# Altium PCB ASI_CAN_Conv.PcbDoc
Units mm, origin at the board's own origin, x right, y up, seen from the top; angles counter-clockwise.
Board outline 84.61 x 101.63 mm, 2 copper layers (Top Layer, Bottom Layer); 107 components, 76 nets, 428 pads, 51 vias.
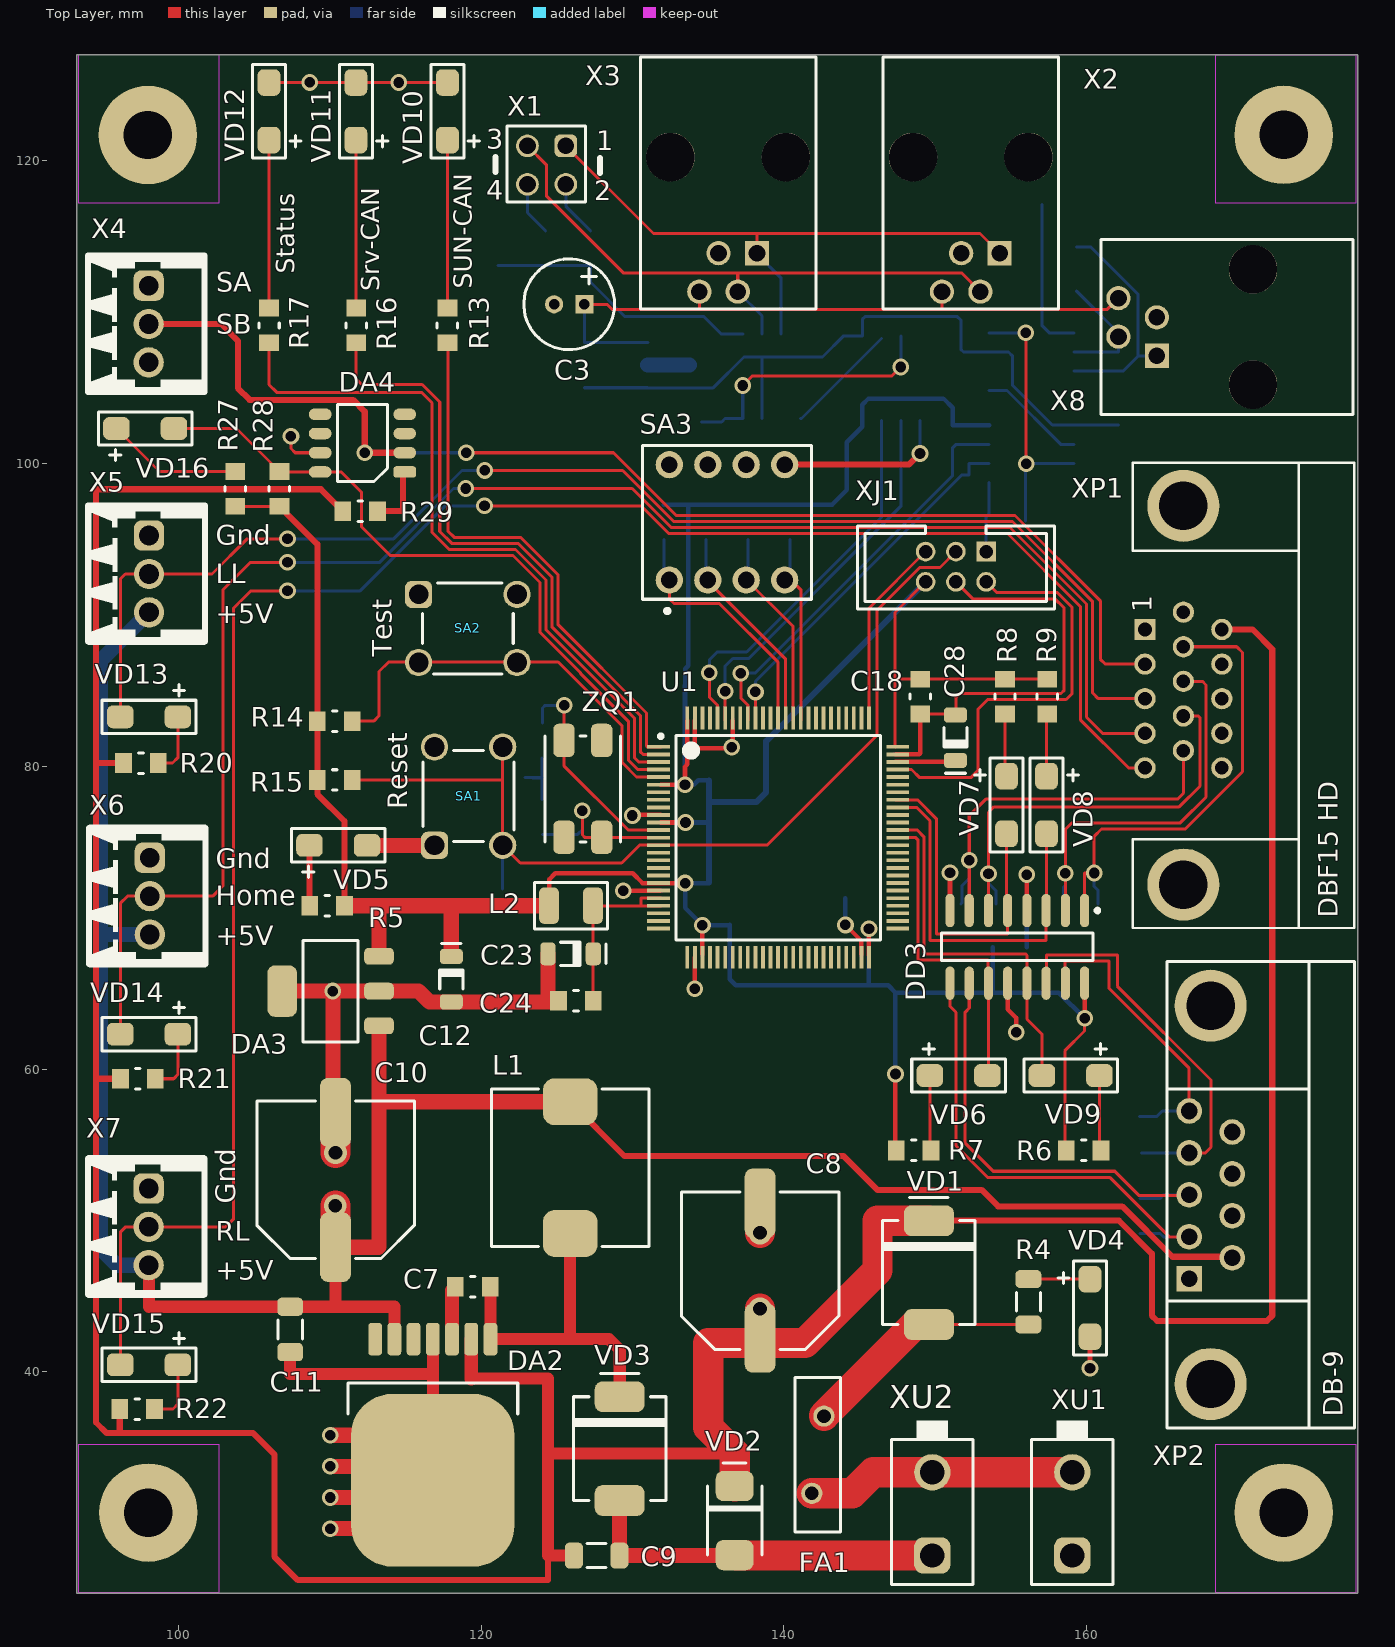
[diagram p0: Top Layer view]
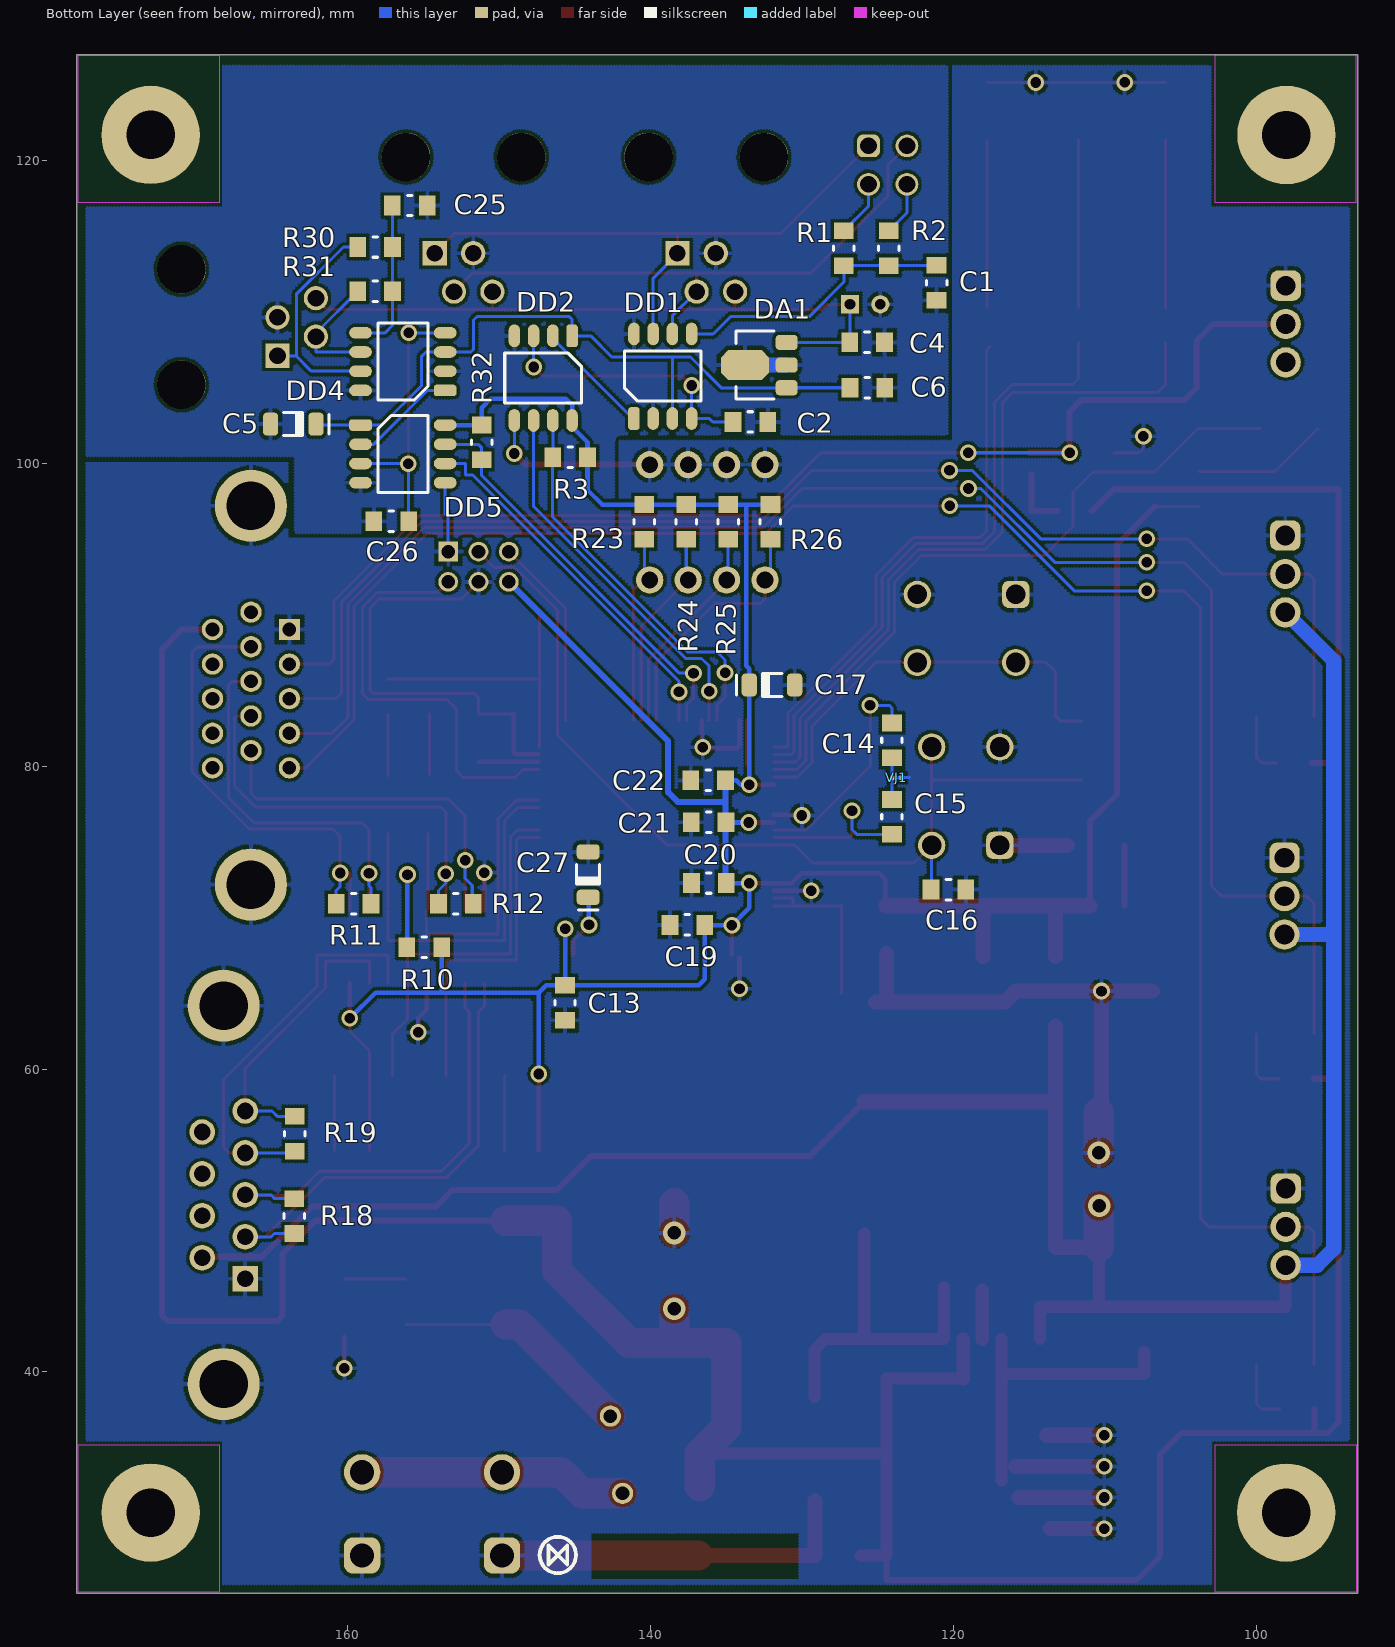
[diagram p1: Bottom Layer view, seen from below]
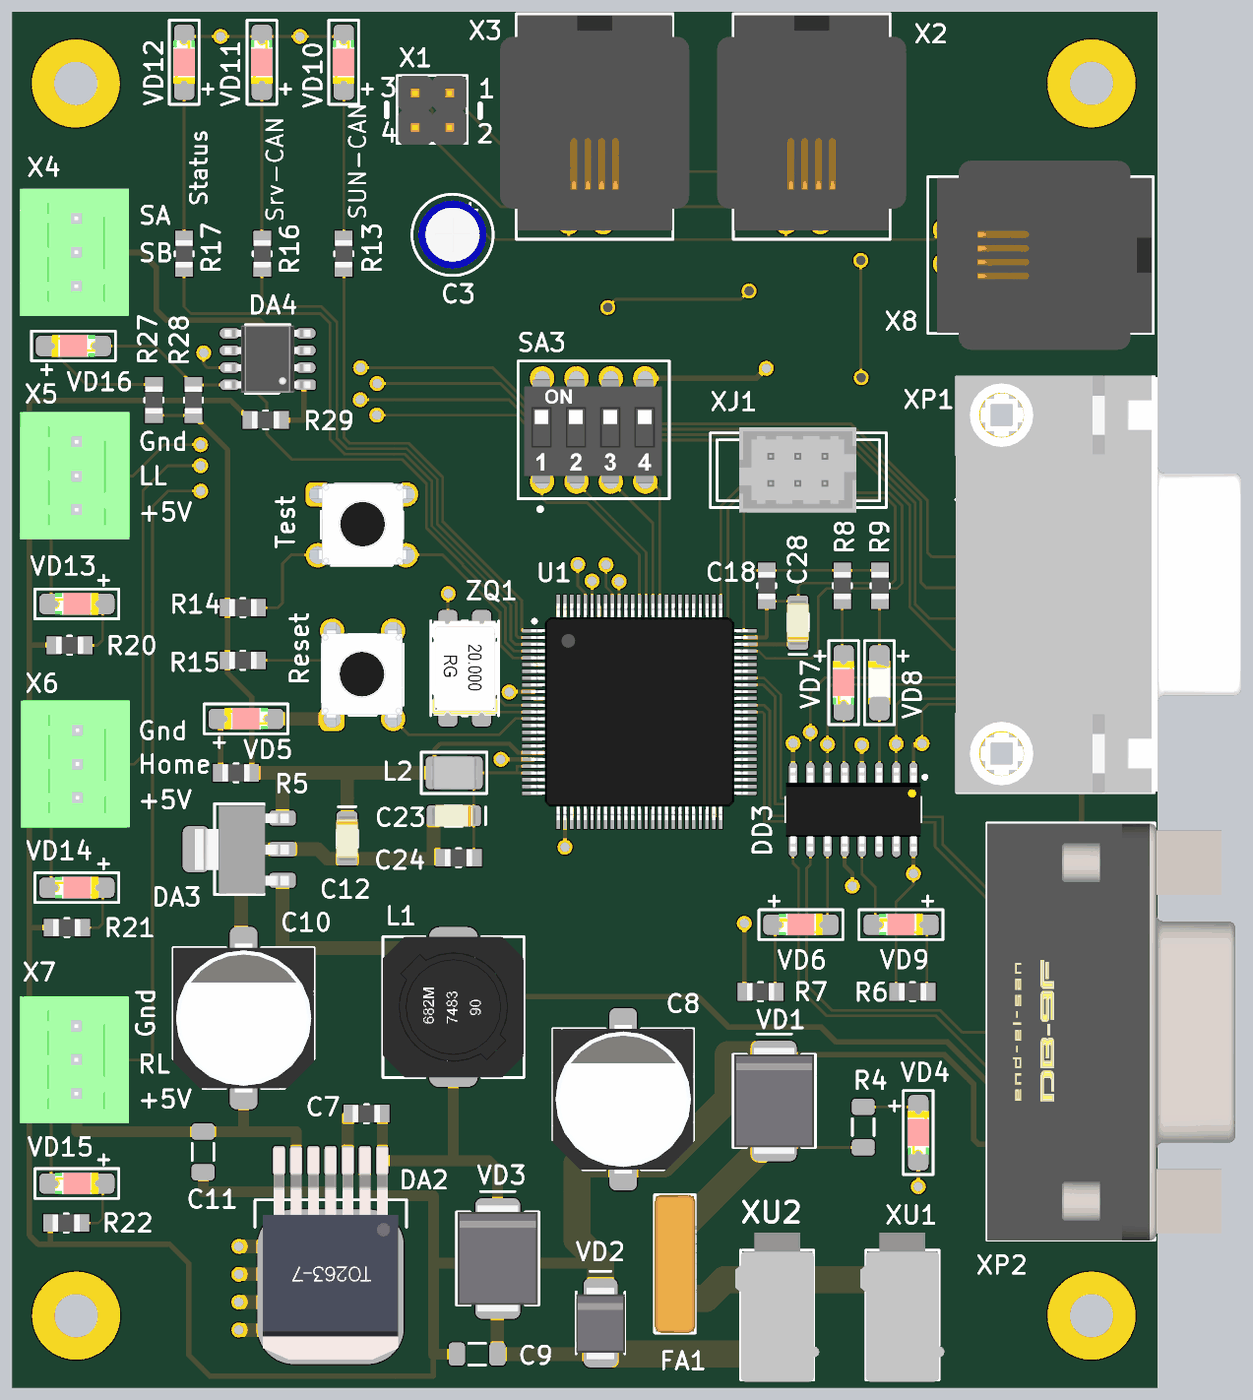
[diagram p2: 3D render of the assembled board from above, using the file's embedded part models]
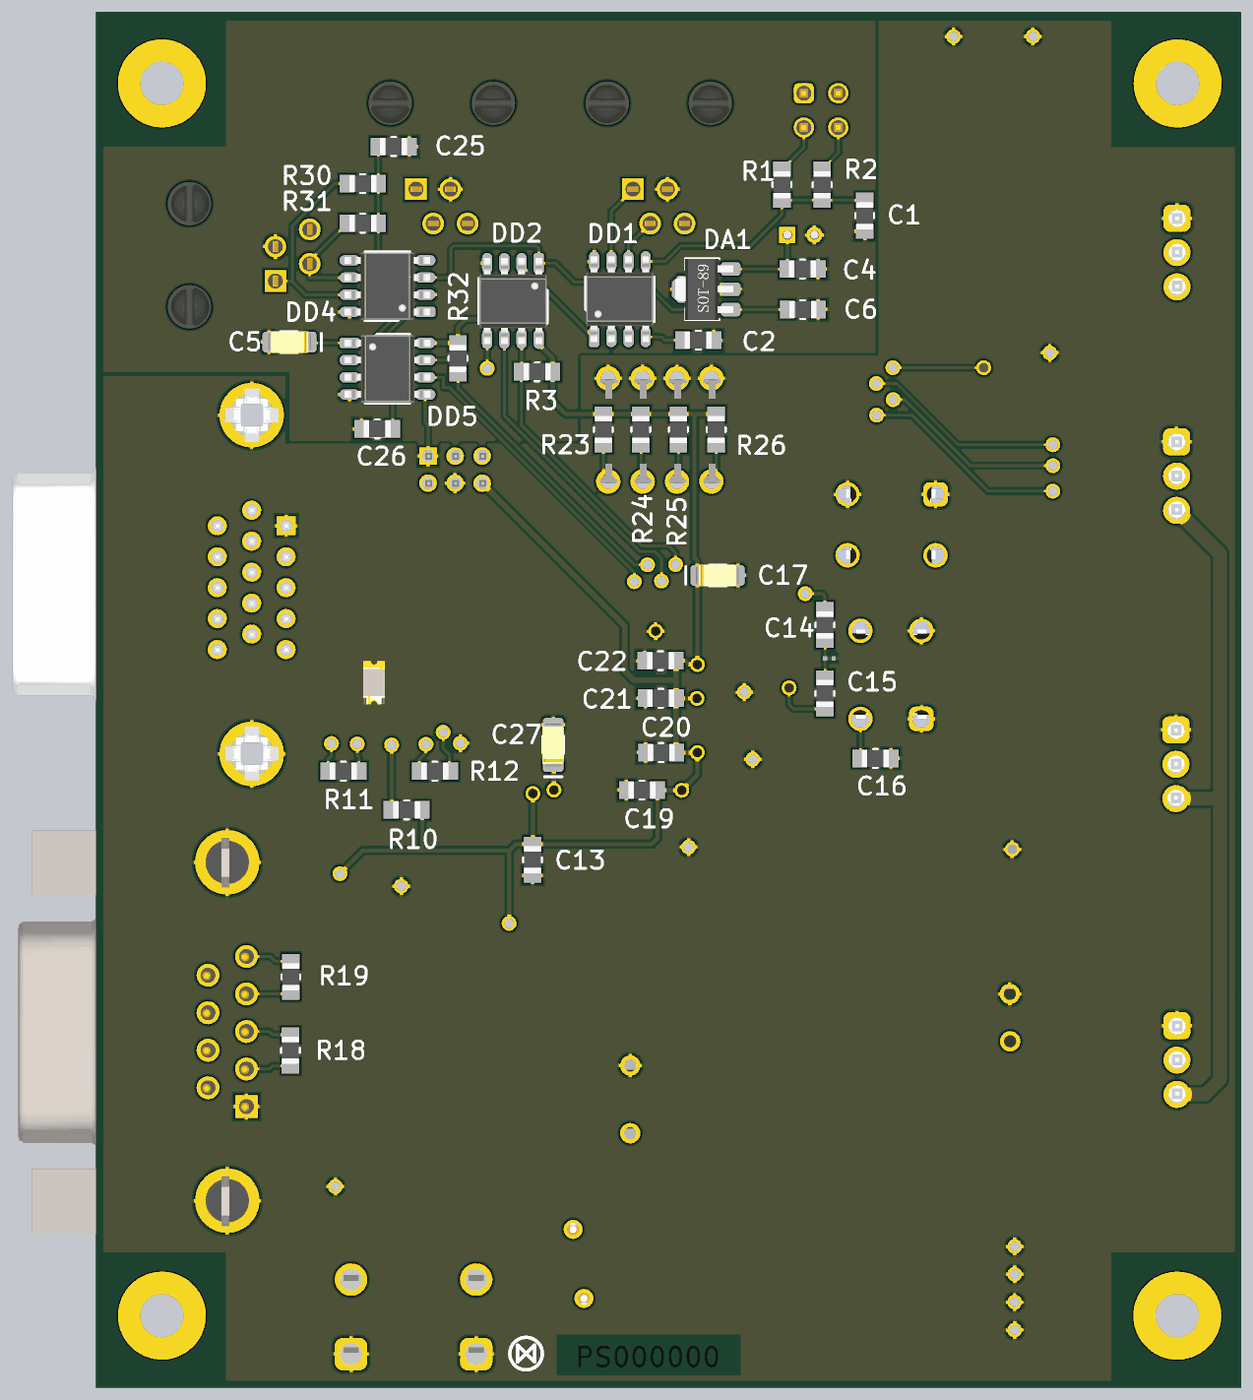
[diagram p3: 3D render of the assembled board from below, using the file's embedded part models]

## Layer stack, top to bottom
Top Solder: solder mask 0.0102, Solder Resist, Dk 3.5
Top Layer: signal copper 0.0356
Dielectric 1: dielectric 0.32, FR-4, Dk 4.8
Bottom Layer: signal copper 0.0356
Bottom Solder: solder mask 0.0102, Solder Resist, Dk 3.5

## Board outline
93.294,25.375 93.294,127 177.902,127 177.902,25.375

## Design rules (kind name [scope] priority, off if disabled: settings)
Clearance [All] p1: gap=0.2
HoleSize [All] p1: absolutevalues=TRUE maxlimit=5 minlimit=0.025 maxpercent=80.000 minpercent=20.000
MinimumSolderMaskSliver [All] p1: minsoldermaskwidth=0.2
PolygonConnect [All] p1: connectstyle=Relief reliefconductorwidth=0.254 reliefentries=4 polygonreliefangle="90 Angle" airgapwidth=0.254
RoutingVias [All] p1: holewidth=1 width=16 viastyle="Through Hole" minholewidth=0.6 minwidth=1 maxholewidth=1 maxwidth=1.6
SilkToSilkClearance [All] p1: silktosilkclearance=0.2
SilkToSolderMaskClearance [IsPad] p1: minsilkscreentomaskgap=0.2 clearancetoexposedcopper=TRUE
SolderMaskExpansion [All] p1: expansion=0.1
Width [All] p1: maxlimit=2 minlimit=0.2 preferedwidth=0.254
25 further rules are at their usual default settings.

## Classes and differential pairs
component class Digital_In_Common: DA4 R27 R28 R29 VD16
component class POWER_SUPPLY: C7 C8 C9 C10 C11 C12 C13 DA2 DA3 FA1 FA? L1 L? R4 R5 VD1 VD2 VD3 VD4 VD5
component class Main: C14 C15 C16 C17 C18 C19 C20 C21 C22 C23 C24 C27 C28 DD3 L2 R6 R7 R8 R9 R10 R11 R12 R13 R14 R15 R16 R17 R18 R19 R20 R21 R22 R23 R24 R25 R26 SA1 SA2 SA3 U1 VD6 VD7 VD8 VD9 VD10 VD11 VD12 VD13 VD14 VD15 VJ1 X4 X5 X6 X7 XJ1 XP1 XP2 XU1 XU2 ZQ1
component class CAN: C1 C2 C3 C4 C5 C6 DA1 DD1 DD2 R1 R2 R3 X1 X2 X3
component class CAN_ASI: C25 C26 DD4 DD5 R30 R31 R32 X8

## Components (designator, comment, footprint, x,y, rotation, side; value= is the part's Value field where it differs from the comment)
C1 "0,01" 0805 121.107,111.938 r270 bottom
C2 "15" 0805 133.401,102.743 r180 bottom
C3 "100мкФ x 25 В" C_D5/F2.0_V 126.822,110.515 r180 top
C4 "0,1" 0805 125.7,108 r180 bottom
C5 "10мкФ x 6,3 В" CAP_TYPE_A 163.6,102.6 r0 bottom
C6 "0,1" 0805 125.679,105.004 r180 bottom
C7 "0,01" 0805 119.456,45.618 r0 top
C8 "220мкФ x 50 В" ELCAP_SIZE_F 138.43,46.685 r90 top
C9 "0,47" 1206 127.635,27.864 r0 top
C10 "1000мкФ x 6,3 В" ELCAP_SIZE_F 110.388,52.68 r90 top
C11 "0,47" 1206 107.391,42.799 r270 top
C12 "10мкФ x 6,3 В" CAP_TYPE_A 118.034,65.938 r270 top
C13 "0,33" 0805 145.65,64.375 r270 bottom
C14 "27" 0805 124.054,81.712 r90 bottom
C15 "27" 0805 124.054,76.657 r270 bottom
C16 "0,1" 0805 120.32,71.857 r180 bottom
C17 "10мкФ x 6,3 В" CAP_TYPE_A 131.978,85.369 r180 bottom
C18 "0,1" 0805 149.022,84.607 r270 top
C19 "0,1" 0805 137.566,69.52 r0 bottom locked
C20 "0,1" 0805 136.144,72.288 r0 bottom
C21 "0,1" 0805 136.169,76.302 r0 bottom
C22 "0,1" 0805 136.195,79.07 r0 bottom
C23 "10мкФ x 6,3 В" CAP_TYPE_A 125.915,67.615 r180 top
C24 "0,1" 0805 126.271,64.516 r180 top
C25 "0,01" 0805 155.905,117.043 r180 bottom
C26 "15" 0805 157.124,96.19 r0 bottom
C27 "2,2мкФ x 10 В" CAP_TYPE_A 144.12,72.847 r90 bottom
C28 "2,2мкФ x 10 В" CAP_TYPE_A 151.333,81.89 r90 top
DA1 "L78L05ACUTR" SOT-89 132.436,106.502 r90 bottom
DA2 "LM2676S-5.0" DDPAK 116.815,37.998 r180 top
DA3 "MC33275ST-3.3T3G" SOT-223_2 110.058,65.151 r90 top
DA4 "MOCD213M" SO-8 112.166,101.346 r90 top
DD1 "PCA82C250T/N4" SO-8 139.192,105.766 r180 bottom
DD2 "ADUM1201BR" SO-8 147.091,105.639 r0 bottom
DD3 "AM26LV32CD" SO16_N 155.423,68.072 r270 top
DD4 "PCA82C250T/N4" SO-8 156.362,106.731 r90 bottom
DD5 "ADUM1201BR" SO-8 156.362,100.635 r270 bottom
FA1 "2А" RUE-185 141.85,31.975 r90 top
L1 "47мкГн" B82464g4 125.882,53.492 r90 top
L2 "33мкГн" CM322522 125.94,70.79 r0 top
R1 "60,4" 0805 127.229,114.224 r270 bottom
R2 "60,4" 0805 124.257,114.224 r270 bottom
R3 "10к" 0805 145.313,100.406 r180 bottom
R4 "4к7" 1206 156.159,44.628 r270 top
R5 "1к" 0805 109.83,70.79 r0 top
R6 "330" 0805 159.8,54.625 r0 top
R7 "330" 0805 148.575,54.625 r180 top
R8 "330" 0805 154.61,84.607 r270 top
R9 "330" 0805 157.404,84.607 r270 top
R10 "1к" 0805 154.95,68.05 r180 bottom
R11 "120" 0805 159.614,70.917 r0 bottom
R12 "120" 0805 152.857,70.917 r0 bottom
R13 "330" 0805 117.78,109.118 r90 top
R14 "10к" 0805 110.338,82.982 r180 top
R15 "10к" 0805 110.338,79.096 r180 top
R16 "330" 0805 111.76,109.118 r270 top
R17 "330" 0805 105.994,109.118 r270 top
R18 "120" 0805 163.525,50.292 r90 bottom
R19 "120" 0805 163.5,55.728 r270 bottom
R20 "10к" 0805 97.536,80.213 r180 top
R21 "10к" 0805 97.333,59.36 r180 top
R22 "10к" 0805 97.282,37.541 r180 top
R23 "10к" 0805 140.411,96.139 r90 bottom
R24 "10к" 0805 137.643,96.139 r90 bottom
R25 "10к" 0805 134.874,96.139 r90 bottom
R26 "10к" 0805 132.08,96.139 r90 bottom
R27 "330" 0805 103.759,98.323 r90 top
R28 "10к" 0805 106.68,98.323 r270 top
R29 "2к4" 0805 112.014,96.85 r180 top
R30 "60,4" 0805 158.191,114.3 r180 bottom
R31 "60,4" 0805 158.191,111.379 r180 bottom
R32 "10к" 0805 151.155,101.397 r90 bottom
SA1 "SWT-2" SWT-2 119.177,78.029 r90 top
SA2 "SWT-2" SWT-2 119.126,89.103 r0 top
SA3 "SWD 1-4" "SWD 1-4" 136.246,96.114 r0 top
U1 "STM32F437VIT6" STM-LQFP100_V 139.624,75.286 r0 top
VD1 "VS-30BQ060TRPbf" SMC 149.581,46.558 r270 top
VD2 "1SMB36AT3G" SMB 136.75,30.175 r270 top
VD3 "VS-30BQ060TRPbf" SMC 129.159,34.925 r270 top
VD4 "KP-3216MGC" LED3216 160.223,44.221 r270 top
VD5 "KP-3216MGC" LED3216 110.566,74.778 r0 top
VD6 "KP-3216MGC" LED3216 151.55,59.575 r0 top
VD7 "KP-3216MGC" LED3216 154.711,77.445 r270 top
VD8 "KP-3216MGC" LED3216 157.353,77.445 r270 top
VD9 "KP-3216MGC" LED3216 158.95,59.575 r180 top
VD10 "KP-3216MGC" LED3216 117.78,123.266 r90 top
VD11 "KP-3216MGC" LED3216 111.735,123.266 r90 top
VD12 "KP-3216MGC" LED3216 105.994,123.266 r90 top
VD13 "KP-3216MGC" LED3216 98.069,83.261 r180 top
VD14 "KP-3216MGC" LED3216 98.069,62.306 r180 top
VD15 "KP-3216MGC" LED3216 98.069,40.462 r180 top
VD16 "KP-3216MGC" LED3216 97.815,102.311 r0 top
VJ1 "Virtual Jumper" "Virtual Jumper" 123.165,78.943 r0 bottom net-tie
X1 "PLD-4" PLD-4 125.603,120.98 r180 top
X2 "TJ3-4P4C" TJ3-4P4C 154.254,113.894 r270 top
X3 "TJ3-4P4C" TJ3-4P4C 138.227,113.894 r270 top
X4 "15EDGVC-2.5-03P" 15EDGVC-2.5-03P 98.044,111.76 r270 top
X5 "15EDGVC-2.5-03P" 15EDGVC-2.5-03P 98.069,95.25 r270 top
X6 "15EDGVC-2.5-03P" 15EDGVC-2.5-03P 98.12,73.965 r270 top
X7 "15EDGVC-2.5-03P" 15EDGVC-2.5-03P 98.044,52.121 r270 top
X8 "TJ3-4P4C" TJ3-4P4C 164.643,107.112 r180 top
XJ1 "BH2-6" BH2-6 153.365,94.183 r180 top
XP1 "DBF-15HD" "DBF15 HD" 166.395,84.709 r90 top
XP2 "DB-9" DB-9M 177.698,51.689 r270 top
XU1 "MF-2MA" MF-2MA 159.055,27.864 r90 top (schematic designator XU2)
XU2 "MF-2MA" MF-2MA 149.809,27.864 r90 top
ZQ1 "KX-13 8 МГц" KX-13 126.721,78.511 r270 top

## Footprints (in the part's own frame and the unit in brackets; to place one, negate y for a bottom-side part, rotate by r counter-clockwise, add the part's x,y. Pads: shape width x height; smd on the part's side, far side on the other; paste and mask are expansions set on the pad)
15EDGVC-2.5-03P [mm] "15EDGVC-2.5-03P"
  rrect50% 2x2 hole 1.3: 1(0.01,0)
  round 2 hole 1.3: 2(2.545,0) 3(5.08,0)
  silkscreen extent -2.17,-4.02 7.22,3.71, body extent -2.17,-4.21 7.23,3.89, height 10.2
0805 [mm]
  rect 1.1x1.3 smd: 1(-1.15,0) 2(1.15,0)
  silkscreen extent -0.15,-0.67 0.15,0.67, body extent -1,-0.62 1,0.63, height 0.47
1206 [mm]
  rrect50% 1.2x1.7 smd: 1(-1.5,0) 2(1.5,0)
  silkscreen extent -0.62,-0.8 0.62,0.8, body extent -1.6,-0.8 1.6,0.8, height 0.6
B82464g4 [mm]
  rrect50% 3.1x3.6 smd: 1(-4.35,0) 2(4.35,0)
  silkscreen extent -5.2,-5.2 5.2,5.2, body extent -5.2,-5.2 5.2,5.2, height 4.81
BH2-6 [mm] "Вилка 6 контактов на плату, шаг 2мм"
  rect 1.3x1.3 hole 0.9: 1(0,0)
  round 1.3 hole 0.9: 2(0,2) 3(2,0) 4(2,2) 5(4,0) 6(4,2)
  silkscreen extent -4.5,-1.7 8.5,3.8, body extent -2.29,-2.13 6.36,4.17, height 8.2
C_D5/F2.0_V [mm]
  rect 1.2x1.2 hole 0.7: 1(0,0)
  round 1.2 hole 0.7: 2(2,0)
  silkscreen extent -2,-3 4,3, body extent -1.53,-2.55 3.53,2.5, height 11.28
CAP_TYPE_A [mm]
  rrect50% 1x1.52 smd: 1(-1.5,0) 2(1.5,0)
  silkscreen extent -2.35,-0.76 0.66,0.76, body extent -1.6,-0.8 1.57,0.8, height 1.58
CM322522 [mm]
  rrect50% 1.3x2.4 smd: 1(-1.45,0) 2(1.45,0)
  silkscreen extent -2.42,-1.53 2.42,1.53, body extent -1.68,-1.25 1.68,1.25, height 2.32
DB-9M [mm]
  rect 1.69x1.69 hole 1.1: 1(5.54,-10.92)
  round 1.69 hole 1.1: 2(2.77,-10.92) 3(0,-10.92) 4(-2.77,-10.92) 5(-5.54,-10.92) 6(4.155,-8.08) 7(1.385,-8.08) 8(-1.385,-8.08) 9(-4.155,-8.08)
  round 4.76 hole 3.2: 10(-12.495,-9.5) 11(12.495,-9.5)
  silkscreen extent -15.4,-12.4 15.4,0, body extent -15.37,-12.37 15.44,5.93, height 12.77
"DBF15 HD" [mm] "DBF15 HD"
  rect 1.408x1.408 hole 0.9: 1(4.329,2.54)
  round 1.408 hole 0.9: 2(2.043,2.54) 3(-0.243,2.54) 4(-2.529,2.54) 5(-4.815,2.54) 6(5.472,0) 7(3.186,0) 8(0.9,0) 9(-1.386,0) 10(-3.672,0) 11(4.329,-2.54) 12(2.043,-2.54) 13(-0.243,-2.54) 14(-2.529,-2.54) 15(-4.815,-2.54)
  round 4.76 hole 3.2: 16(-12.522,0) 17(12.497,0)
  silkscreen extent -15.39,-11.29 15.34,3.35, body extent -15.4,-17.68 15.4,3.42, height 12.27
DDPAK [mm]
  rrect50% 0.91x2.16 smd: 1(-3.81,-4.16) 2(-2.54,-4.16) 3(-1.27,-4.16) 4(0,-4.16) 5(1.27,-4.16) 6(2.54,-4.16) 7(3.81,-4.16)
  rrect50% 10.8x11.41 smd: 4(0,5.16)
  silkscreen extent -5.61,-1.25 5.59,0.78, body extent -5,-5.14 5,10.53, height 4.78
ELCAP_SIZE_F [mm]
  rrect50% 4.57x2.03 smd: 1(-4.45,0) 2(4.45,0)
  silkscreen extent -5.2,-5.2 5.2,5.2, body extent -5.5,-5.2 5.5,5.2, height 10.41
KX-13 [mm]
  rrect50% 2.2x1.4 smd: 1(-3.2,-1.25) 2(3.2,-1.25) 3(3.2,1.25) 4(-3.2,1.25)
  silkscreen extent -3.5,-2.5 3.5,2.5, body extent -3.5,-2.5 3.5,2.5, height 1.31
LED3216 [mm]
  rrect50% 1.75x1.5 smd: 1(-1.9,0) 2(1.9,0)
  silkscreen extent -3.1,-2.13 3.1,1.1, body extent -1.6,-0.8 1.6,0.8, height 1.1
MF-2MA [mm]
  rrect50% 2.4x2.4 hole 1.6: 1(0,0)
  round 2.4 hole 1.6: 2(5.5,0)
  silkscreen extent -1.91,-2.7 8.92,2.7, body extent -2.03,-3.1 8.97,3.1, height 12.8
PLD-4 [mm] "Разъем"
  rrect50% 1.5x1.5 hole 1.1: 1(0,0)
  round 1.5 hole 1.1: 2(0,2.54) 3(2.54,0) 4(2.54,2.54)
  silkscreen extent -1.3,-1.3 3.9,3.7, body extent -1.27,-1.27 3.81,3.81, height 10.1
RUE-185 [mm]
  round 1.4 hole 0.9: 1(0,0) 2(5.1,-0.8)
  silkscreen extent -2.55,-1.9 7.65,1.1, body extent -2.55,-2 7.65,1.1, height 15.54
SMB [mm]
  rrect50% 2x2.5 smd: 1(-2.286,0) 2(2.286,0)
  silkscreen extent -3.81,-1.8 2.29,1.8, body extent -2.65,-1.8 2.75,1.8, height 2.3